# Altium PCB MB1605.PcbDoc (part 8 of 11) (continued)
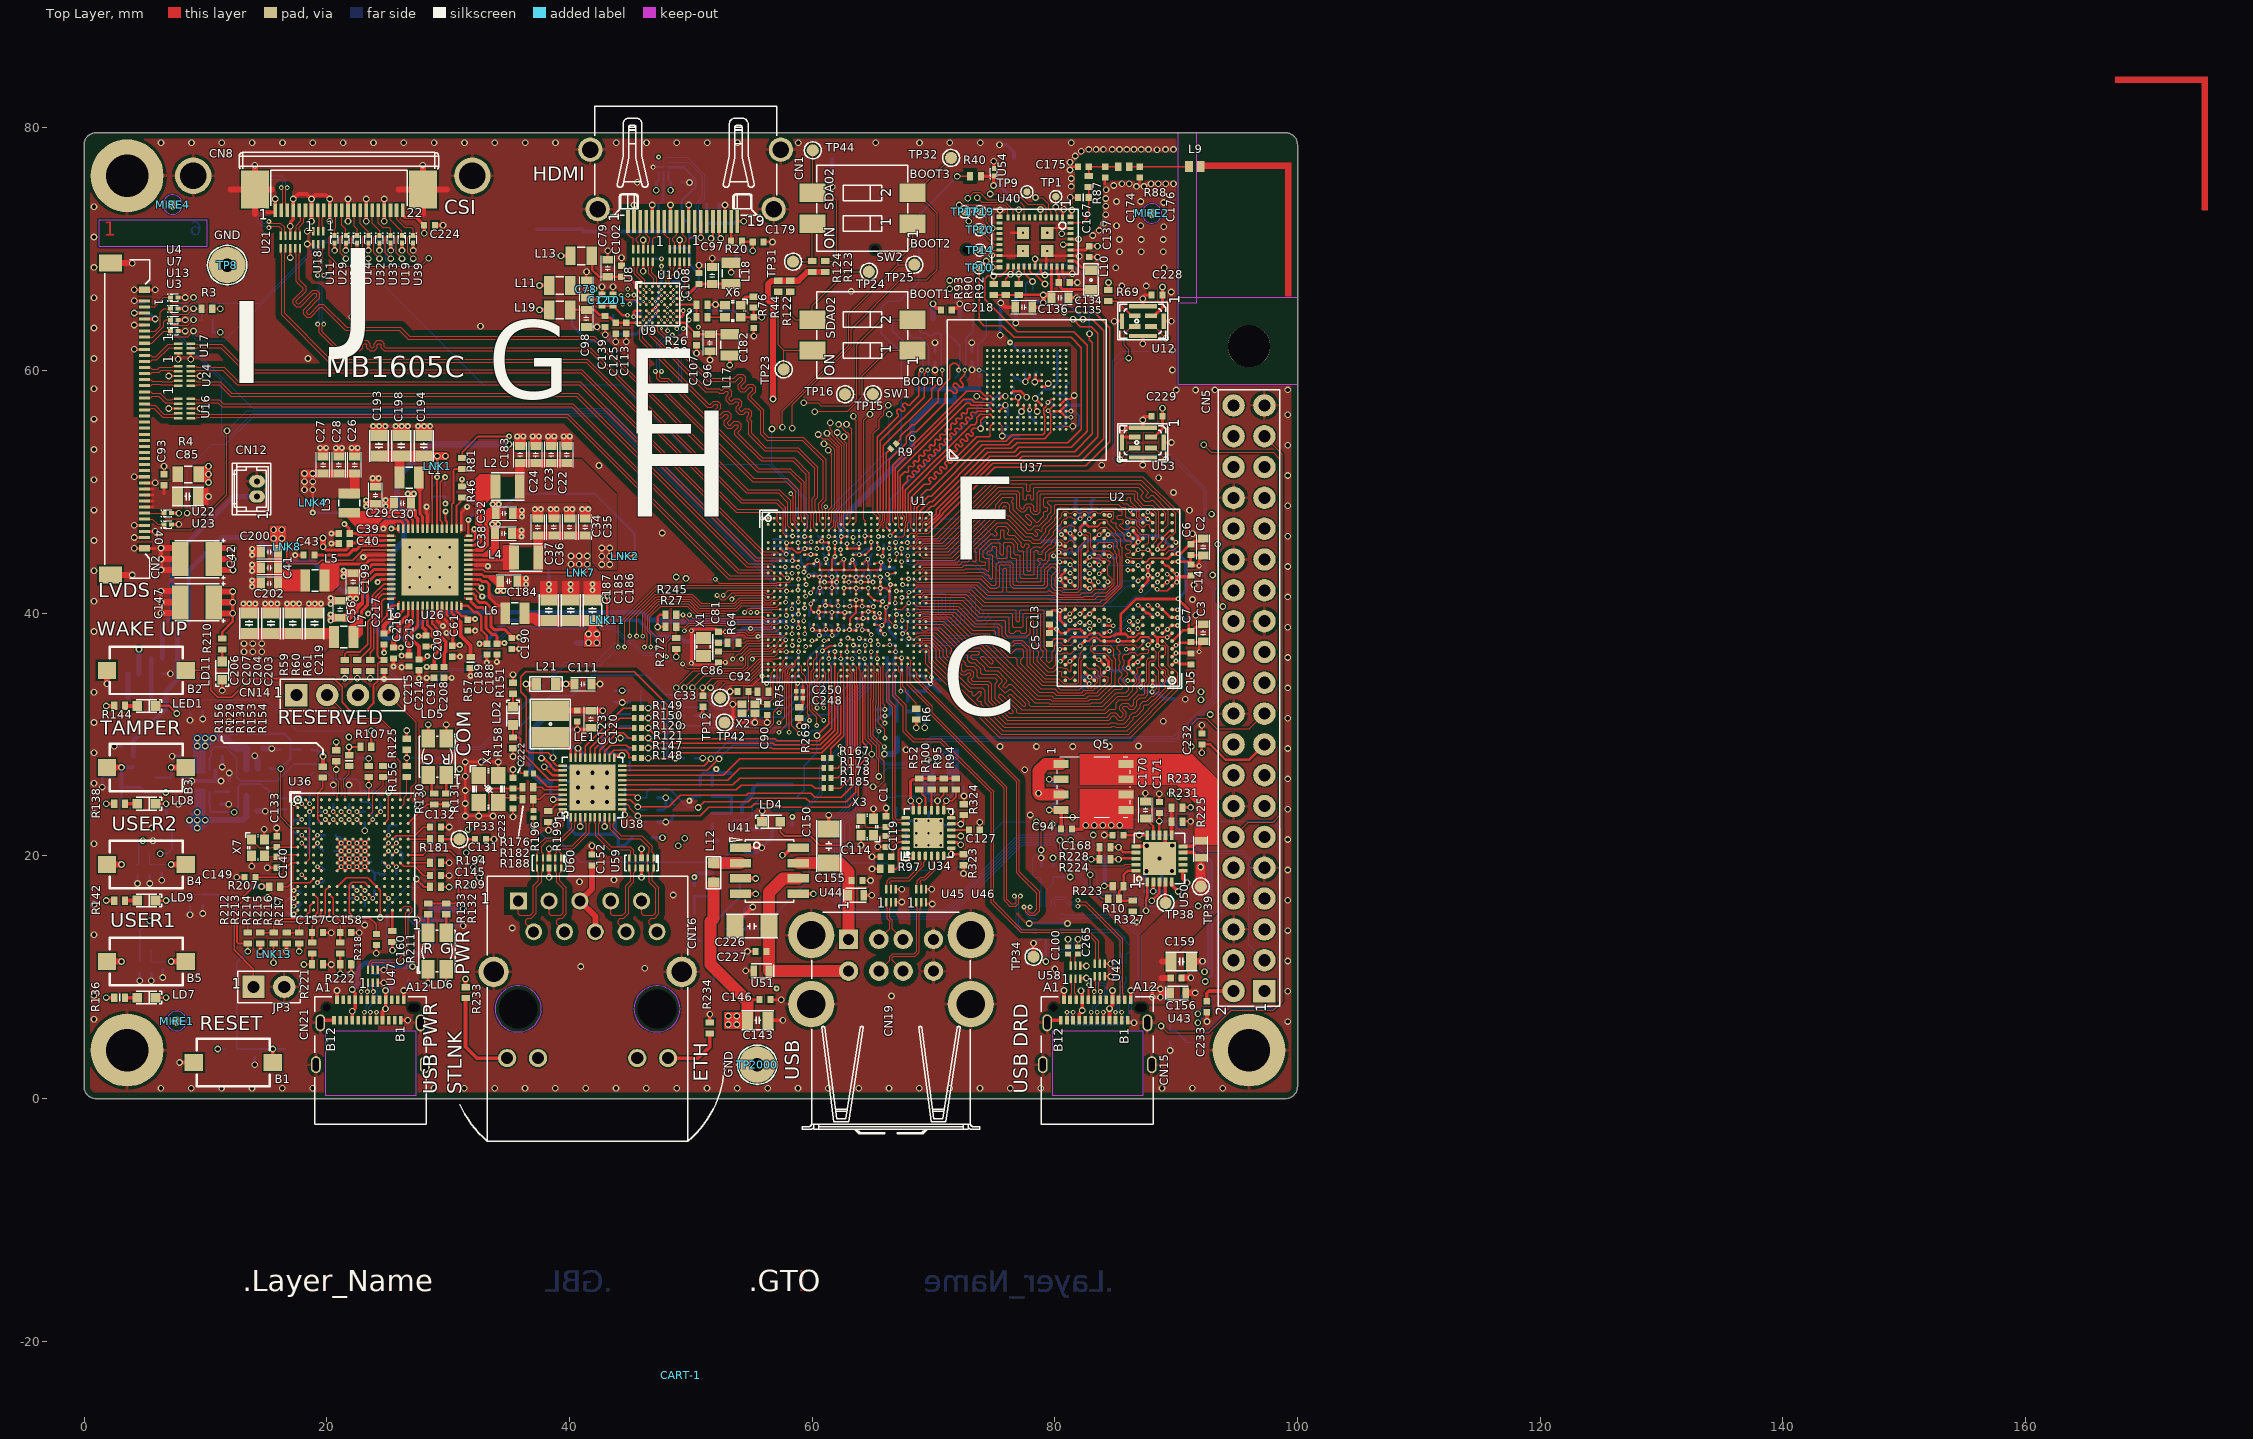
[diagram p0: Top Layer view]
## Nets (pads, with @x,y where several pads share a name; then routed paths per layer and width w, separated by ;. In a path a pad name is that pad's centre, name@x,y a point inside that pad or via, vN(x,y) a via of type N, cw(c..) or ccw(c..) an arc to the next point about the centre after c; other vN are vias at no path point) (continued)
LVDS1.D1con_P: CN2.13 U24.2 | length 2.9
  Top Layer w0.09: CN2.13@5,59.75 5.495,59.75 5.62,59.875 6.198,59.875 6.348,60.025 7.282,60.025 7.357,59.95 U24.2@7.752,59.95
LVDS1.D2_N: U1.J2 U24.7 | length 54.4
  Top Layer w0.09: U24.7@8.802,59.15 9.197,59.15 9.272,59.075 11.228,59.075 12.178,58.125 40.679,58.125 54.729,44.075 56.625,44.075 U1.J2@56.875,43.825
LVDS1.D2_P: U1.J1 U24.6 | length 53.8
  Top Layer w0.09: U24.6@8.802,58.75 9.197,58.75 9.272,58.825 9.5,58.825 10.825,58.825 11.124,58.825 12.074,57.875 40.575,57.875 54.625,43.825 U1.J1@56.375,43.825
LVDS1.D2con_N: CN2.14 U24.4 | length 2.9
  Top Layer w0.09: CN2.14@5,59.25 5.495,59.25 5.62,59.125 6.396,59.125 6.446,59.075 7.282,59.075 7.357,59.15 U24.4@7.752,59.15
LVDS1.D2con_P: CN2.15 U24.5 | length 2.9
  Top Layer w0.09: CN2.15@5,58.75 5.495,58.75 5.62,58.875 6.292,58.875 6.342,58.825 7.282,58.825 7.357,58.75 U24.5@7.752,58.75
LVDS1.D3_N: U1.L3 U16.7 | length 54.2
  Top Layer w0.09: U16.7@8.802,56.475 9.197,56.475 9.272,56.4 39.878,56.4 53.203,43.075 57.123,43.075 57.373,42.825 U1.L3@57.375,42.825
LVDS1.D3_P: U1.L2 U16.6 | length 53.6
  Top Layer w0.09: U16.6@8.802,56.075 9.197,56.075 9.272,56.15 9.525,56.15 10.725,56.15 39.774,56.15 53.099,42.825 U1.L2@56.875,42.825
LVDS1.D3con_N: CN2.18 U16.4 | length 3.1
  Top Layer w0.09: CN2.18@5,57.25 5.08,57.17 5.494,57.17 5.539,57.125 5.865,57.125 6.59,56.4 7.325,56.4 7.346,56.421 7.698,56.421 U16.4@7.752,56.475
LVDS1.D3con_P: CN2.19 U16.5 | length 3.1
  Top Layer w0.09: CN2.19@5,56.75 5.078,56.828 5.507,56.828 5.554,56.875 5.761,56.875 6.486,56.15 7.332,56.15 7.352,56.13 7.697,56.13 U16.5@7.752,56.075
MDF.CCK: U1.AE18 U12.3 U53.3 | length 78.8
  Top Layer w0.09: U1.AE18@64.875,35.825 65.125,35.575 65.125,35.183 65.305,35.003 65.305,34.411 65.29,34.396 65.29,34.085 65.28,34.075 65.275,34.07 65.275,34.04
  Top Layer w0.1: 65.275,34.04 65.275,32.41 65.249,32.384 65.249,30.526 v2(65.5,30.275) ; v1(85.35,52.67) 86.15,53.47 86.3,53.62 U53.3@86.575,53.62 ; v1(86.085,61.026) 86.085,61.732 85.732,62.085 85.732,63.052 86.3,63.62 U12.3@86.575,63.62
  Bottom Layer w0.1: v2(65.5,30.275) 65.5,29.85 65.329,29.679 65.329,28.046 65.876,27.499 67.73,27.499 69.911,29.68 87.154,29.68 87.168,29.666 89.934,29.666 93.225,32.957 93.225,42.095 92.493,42.827 92.493,50.22 89.618,53.095 85.775,53.095 v1(85.35,52.67) 84.956,53.064 84.956,60.396 85.586,61.026 v1(86.085,61.026)
MDF.SDI6: U1.AF18 U12.4 U53.4 | length 80.7
  Top Layer w0.09: U1.AF18@64.875,35.325 64.889,35.311 64.889,35.165 65.125,34.929 65.125,34.486 65.075,34.436 65.075,34.075
  Top Layer w0.1: 65.075,34.075 65.075,32.872 65.049,32.846 65.049,29.893 v2(65.956,28.986) ; U53.4@87.925,53.62 88.2,53.62 88.35,53.47 v1(89.15,52.67) ; U12.4@87.925,63.62 88.2,63.62 88.35,63.47 v1(89.15,62.67)
  Bottom Layer w0.1: v2(65.956,28.986) 65.941,28.986 65.531,28.576 65.531,28.127 65.959,27.699 67.647,27.699 69.828,29.88 87.236,29.88 87.251,29.866 89.843,29.866 93.025,33.048 93.025,42.004 92.293,42.736 92.293,50.137 89.76,52.67 86.156,52.67 85.702,52.216 85.203,52.216 84.756,52.663 84.756,60.797 85.556,61.597 88.077,61.597 v1(89.15,62.67)
MP257_WAKEUP: U1.AF5 U26.32 | length 69.6
  Top Layer w0.09: 58.125,34.075 58.125,34.929 58.165,34.969 58.165,35.115 U1.AF5@58.375,35.325
  Top Layer w0.1: v2(58.106,30.195) 58.106,30.747 58.125,30.765 58.125,34.075
  Top Layer w0.15: v4(29.8,48.4) 29.8,47.653 29.9,47.553 U26.32@29.9,46.97
  Signal Layer 2 w0.1: v1(48.975,20.85) 49.794,20.85 58.106,29.163 v2(58.106,30.195)
  Signal Layer 3 w0.1: v4(29.8,48.4) 32.183,50.783 43.444,50.783 46.778,47.449 46.778,41.336 44.425,38.983 44.425,37.841 44.932,37.334 44.932,36.81 45.498,36.244 45.498,34.273 47.515,32.257 47.515,30.743 49.574,28.684 49.574,27.095 48.975,26.496 v1(48.975,20.85)
NetB2_2: B2.2 C219.2 U26.1 | length 29.6
  Top Layer w0.15: B2.2@8.386,35.3 9.775,35.3 10.438,34.637 10.438,33.673 11.036,33.075 12.162,33.075 13.713,34.625 20.59,34.625 21.275,33.94 21.275,32.657 21.995,31.938 23.213,31.938 23.85,32.575 23.85,34.05 24.2,34.4 24.2,35.825 24.347,35.972 24.554,35.972 C219.2@24.727,36.145 24.562,36.31 24.338,36.31 24.187,36.46 24.187,39.008 24.962,39.783 24.962,40.237 25.355,40.63 U26.1@25.9,40.63
NetB3_2: B3.2 R140.1 TP7.1 | length 3.3
  Top Layer w0.5: v1(7.177,27.3) B3.2@8.386,27.3
  Bottom Layer w0.2: TP7.1@5.913,26.425 5.928,26.441 R140.1@7.177,26.441 v1(7.177,27.3)
NetB4_2: B4.2 R126.2 R128.2 TP3.1 U25.1 | length 4.8
  Top Layer w0.5: v1(7.177,19.3) B4.2@8.386,19.3
  Bottom Layer w0.1: R126.2@5.413,20.187 R128.2@5.413,19.3 U25.1@6.413,19.3 v1(7.177,19.3) TP3.1@8.136,19.3
NetB5_2: B5.2 R127.2 R135.2 TP5.1 U27.1 | length 5
  Top Layer w0.5: v1(7.177,11.3) B5.2@8.386,11.3
  Bottom Layer w0.1: R127.2@5.532,12.237 R135.2@5.532,11.287 U27.1@6.493,11.287 7.164,11.287 v1(7.177,11.3) TP5.1@8.386,11.3
NetC1_2: C1.2 U34.21 X3.3 | length 4.2
  Top Layer w0.1: X3.3@64.018,23.065 64.018,23.015 64.393,22.64 64.393,22.44 64.457,22.376 C1.2@66.088,22.376 66.523,22.376 66.76,22.138 U34.21@67.705,22.138
NetC43_2: C43.2 U26.45 | length 6.7
  Top Layer w0.21: 24.775,45.6 U26.45@25.33,45.6
  Top Layer w0.25: C43.2@19.015,44.79 21.731,44.79 22.176,45.235 22.451,45.235 22.816,45.6 24.775,45.6
NetC78_1: C78.1 C101.2 C122.2 L11.1 U9.D4 U9.E3 | length 9.2
  Top Layer w0.2: L11.1@40.077,67.016 40.077,66.666 40.402,66.341 40.95,66.341 41.275,66.016 42.029,66.016 C122.2@42.689,65.356 C101.2@43.614,65.356 ; C101.2@43.589,65.356 C101.2@43.614,65.356 ; v2(44.787,64.56) 44.385,64.56 43.769,65.176 43.769,65.201 C101.2@43.614,65.356 ; U9.E3@46.836,64.935 v5(47.086,65.185) U9.D4@47.336,65.435
  Signal Layer 1 w0.15: 46.266,64.86 46.302,64.86 46.451,65.01 46.877,65.01 47.052,65.185 v5@47.072,65.185
  Signal Layer 1 w0.2: v2(44.787,64.56) 45.07,64.843 46.249,64.843 46.266,64.86 ; v5@47.072,65.185 v5(47.086,65.185)
NetC79_1: C79.1 C102.1 L13.1 U9.B1 | length 6.1
  Top Layer w0.2: L13.1@41.845,69.456 41.875,69.456 41.875,68.295 42.434,67.736 C79.1@43.164,67.736 C102.1@44.3,67.736 44.823,67.736 45.393,67.166 45.393,66.878 U9.B1@45.836,66.435
NetC80_1: C80.1 C106.1 L16.1 U9.B4 | length 15.1
  Top Layer w0.13: U9.B4@47.336,66.435 v5(47.586,66.685)
  Signal Layer 1 w0.1: v2(47.582,68.111) 47.586,68.107 v5(47.586,66.685)
  Bottom Layer w0.25: L16.1@40.2,64.999 40.2,63.762 41.518,62.443 43.177,62.443 43.73,62.996 45.498,62.996 47.195,64.693 C80.1@47.195,65.92 47.39,66.115 47.39,66.337 47.44,66.387 47.44,67.063 47.465,67.088 47.465,67.209 47.595,67.339 47.595,68.098 v2(47.582,68.111)
NetC81_1: C81.1 R64.2 X1.1 | length 2.1
  Top Layer w0.1: X1.1@51.059,37.975 51.459,37.575 C81.1@52.285,37.575 R64.2@53.035,37.575
NetC88_2: C88.2 D6.2 R66.2 | length 3.2
  Bottom Layer w0.4: D6.2@5.542,33.101 C88.2@5.542,35.008 R66.2@5.542,36.26
NetC92_1: C92.1 R75.1 X2.3 | length 2.9
  Top Layer w0.1: X2.3@54.234,31.76 54.461,31.987 54.694,31.987 54.759,32.052 C92.1@54.759,33.546 R75.1@55.509,33.546
NetC95_1: C95.1 D2.1 Q10.3 | length 8.8
  Bottom Layer w0.2: D2.1@51.875,9.8 D2.1@51.888,9.813 51.888,14.466 52.567,15.145 52.592,15.145 52.747,15.3 C95.1@52.747,15.325 52.747,15.35 52.902,15.505 52.927,15.505 54.022,16.6 Q10.3@54.022,17.638
NetC95_2: C95.2 Q10.1 R12.1 R187.2 | length 4.3
  Bottom Layer w0.2: R187.2@50.297,15.275 R12.1@50.297,16.688 Q10.1@51.822,16.688 51.847,16.662 C95.2@51.847,15.325
NetC96_1: C96.1 C107.1 L17.1 U9.G7 | length 4.8
  Top Layer w0.2: U9.G7@48.836,63.935 49.503,63.935 50.446,62.992 L17.1@53.214,62.992
NetC97_1: C97.1 C108.2 L18.1 U9.C6 | length 5.5
  Top Layer w0.13: U9.C6@48.336,65.935 v5(48.586,66.185)
  Top Layer w0.25: v5(49.671,66.385) 49.903,66.385 50.651,67.132 C108.2@50.676,67.132 C97.1@51.769,67.132 L18.1@53.326,67.132
  Signal Layer 1 w0.2: v5(48.586,66.185) 48.9,66.185 49.1,66.385 v5(49.671,66.385)
NetC98_1: C98.1 C113.2 C125.2 C139.2 L19.1 U9.E2 U9.E4 U9.G1 | length 8.9
  Top Layer w0.2: L19.1@40.08,64.999 C98.1@41.4,64.999 42.06,64.999 42.48,64.579 42.863,64.579 43.069,64.373 43.352,64.373 43.635,64.09 C125.2@43.79,63.935 ; C125.2@43.815,63.935 C113.2@44.676,63.935 v5(45.476,63.935) U9.G1@45.836,63.935 ; U9.E2@46.336,64.935 v5(46.586,64.685) ; v5(47.086,64.685) U9.E4@47.336,64.935
  Signal Layer 1 w0.2: v5(45.476,63.935) 45.736,64.195 45.736,64.33 45.917,64.511 45.941,64.535 46.436,64.535 v5(46.586,64.685) v5(47.086,64.685)
NetC100_2: C100.2 U58.6 | length 1.1
  Top Layer w0.1: C100.2@81.087,11.916 81.3,11.703 U58.6@81.3,10.938
NetC114_2: C114.2 U34.23 | length 2.1
  Top Layer w0.15: C114.2@66.523,19.931 66.691,20.099 66.691,20.744 67.085,21.138 U34.23@67.705,21.138
NetC119_2: C119.2 U34.22 X3.1 | length 2.7
  Top Layer w0.1: X3.1@65.068,21.715 65.132,21.651 C119.2@66.088,21.651 67.692,21.651 U34.22@67.705,21.638
NetC127_2: C127.2 U34.10 | length 1.5
  Top Layer w0.15: U34.10@71.47,22.138 72.917,22.138 C127.2@72.919,22.14
NetC130_2: C130.2 C148.2 U37.C2 | length 3.5
  Top Layer w0.09: U37.C2@75.425,55.655 75.675,55.405 v1(75.675,54.605)
  Bottom Layer w0.25: C148.2@76.11,55.405 75.675,54.97 v1(75.675,54.605) C130.2@77.027,54.605
NetC131_2: C131.2 R181.2 TP33.1 | length 2.8
  Top Layer w0.2: R181.2@29.415,21.382 TP33.1@30.94,21.382 C131.2@32.215,21.382
NetC132_2: C132.2 U36.F13 | length 3.5
  Top Layer w0.12: U36.F13@25.415,21.382 25.715,21.682 27.265,21.682 27.965,22.382 C132.2@28.515,22.382
NetC134_2: C134.2 L10.2 U40.31 | length 4.4
  Top Layer w0.25: U40.31@80.175,68.575 80.175,67.996 80.33,67.841 C134.2@80.33,67.262 80.46,67.132 80.46,66.852 80.642,66.67 L10.2@82.98,66.67
NetC145_2: C145.2 U36.J14 | length 2.9
  Top Layer w0.12: U36.J14@26.065,19.432 26.365,19.132 27.24,19.132 27.99,18.382 C145.2@28.515,18.382
NetC150_2: C150.2 C155.2 CN19.T1 U41.7 U44.1 | length 10
  Top Layer w1: U41.7@58.854,19.413 61.366,19.413 C150.2@61.375,19.422 62.265,19.422 63,18.687 63,17.976 U44.1@63,16.76 CN19.T1@63,13.13
NetC151_2: C151.2 C252.2 C260.2 R11.2 U1.AB20 U1.AB22 U1.AC21 | length 8.5
  Top Layer w0.1: U1.AB20@65.875,37.325 65.895,37.345 66.248,37.345 66.314,37.41 v3(66.395,37.41) ; U1.AC21@66.375,36.825 v3(66.875,36.825) U1.AB22@66.875,37.325
  Bottom Layer w0.25: v3(66.395,37.41) 66.846,37.41 C252.2@66.87,37.385 66.87,36.83 v3(66.875,36.825) 66.875,36.449 C151.2@66.75,36.324 66.75,33.083 67,32.833 R11.2@67,31.075
NetC152_2: C152.2 CN16.5 CN16.6 | length 6.4
  Top Layer w0.5: C152.2@41.865,19.209 41.865,17.29 CN16.5@40.865,16.29 42.135,15.02 CN16.6@42.135,13.75
NetC160_2: C160.2 U36.M10 | length 7.6
  Top Layer w0.12: U36.M10@23.465,17.482 23.115,17.832 22.09,17.832 21.84,17.582 21.84,15.332 22.29,14.882 23.565,14.882 24.09,14.357 C160.2@24.09,13.557
NetC167_2: C167.2 R87.2 U40.41 | length 4.1
  Top Layer w0.11: U40.41@81.3,72.175 81.888,72.175 ccw(c81.888,73.087) 82.8,73.087 C167.2@82.8,74.25 R87.2@82.8,75.125
NetC168_2: C168.2 CN15.A5 D5.2 U50.15 | length 63.9
  Top Layer w0.2: CN15.A5@82.75,8.16 82.775,8.185 v2(82.775,9.387) ; C168.2@85.638,21.723 v1(86.963,21.723) U50.15@87.613,21.723
  Signal Layer 3 w0.2: v4(58.375,23.225) 64.16,17.44 65.544,17.44 66.224,16.76 70.6,16.76 71.319,17.479 80.18,17.479 80.469,17.19 81.723,17.19 82.305,17.773 83.206,17.773 83.897,18.464 84.963,18.464 85.918,19.418 85.918,20.678 v1(86.963,21.723) ; v2(82.775,9.387) 84.702,9.387 85.763,10.449 v1(92.336,10.449)
  Bottom Layer w0.2: v1(86.963,21.723) 90.288,21.723 92.638,19.373 92.638,10.75 v1(92.336,10.449)
  Bottom Layer w0.3: D5.2@58.375,22.513 v4(58.375,23.225)
NetC170_2: C170.2 U50.14 | length 1.6
  Top Layer w0.2: C170.2@87.463,23.103 88.113,22.453 U50.14@88.113,21.723
NetC171_2: C171.2 CN15.B5 D2.2 U50.13 | length 63.4
  Top Layer w0.2: CN15.B5@84,6.46 v2(84,7.12) ; U50.13@88.613,21.723 v1(88.613,22.873) C171.2@88.613,23.548
  Signal Layer 3 w0.2: v4(57.075,9.079) 56.82,8.824 56.82,6.344 57.964,5.2 83.755,5.2 84,5.445 ; v2(84,7.12) 84,5.445 ; v1(92.4,9.65) 91.721,9.65 88.273,6.202 88.273,5.548 87.925,5.2 84.245,5.2 84,5.445
  Bottom Layer w0.2: D2.2@55.238,9.813 55.344,9.706 56.448,9.706 v4(57.075,9.079) ; v1(88.613,22.873) 89.563,22.873 92.938,19.498 92.938,10.188 v1(92.4,9.65)
NetC173_2: C173.2 U52.1 | length 1.1
  Bottom Layer w0.2: U52.1@10.836,25.277 C173.2@11.961,25.277
NetC174_2: C174.2 C175.2 R87.1 R88.2 | length 3.2
  Top Layer w0.11: R87.1@82.8,76.025 C175.2@82.8,76.8 R88.2@85.225,76.8
NetC176_2: C176.2 L9.1 R88.1 | length 4.9
  Top Layer w0.11: R88.1@86.125,76.8 C176.2@87,76.8 L9.1@91.05,76.8
NetC208_1: C208.1 U26.8 | length 5.4
  Top Layer w0.21: U26.8@28.7,40.63 28.7,39.134 29.125,38.709 29.125,38.345 29.298,38.172
  Top Layer w0.3: 29.298,38.172 29.8,37.67 29.8,36.843 29.675,36.718 C208.1@29.675,35.705
NetC212_1: C212.1 D5.1 Q9.3 | length 5.7
  Bottom Layer w0.3: C212.1@54.225,23.575 54.225,24.215 55.123,25.113 55.123,25.538 55.473,25.888 58.35,25.888 D5.1@58.375,25.863
NetC212_2: C212.2 Q9.1 R8.1 R162.2 | length 4.5
  Bottom Layer w0.3: R162.2@51.775,23.525 53.275,23.525 C212.2@53.325,23.575 53.325,24.913 Q9.1@53.3,24.938 R8.1@51.775,24.938
NetC222_2: C222.2 R182.1 X4.1 | length 4.3
  Top Layer w0.15: X4.1@32.525,26.625 33.034,26.116 33.034,25.816 33.3,25.55 C222.2@35.35,25.55 36,25.55 R182.1@36.125,25.675
NetC223_2: C223.2 R188.1 X4.3 | length 2.2
  Top Layer w0.15: X4.3@34.125,24.425 34.5,24.8 C223.2@35.35,24.8 36,24.8 R188.1@36.125,24.675
NetC225_2: C225.2 U1.R7 | length 2.8
  Top Layer w0.1: v3(59.375,40.433) U1.R7@59.375,40.825
  Bottom Layer w0.1: C225.2@57.296,40.309 57.764,40.309 58.18,40.726 58.47,40.726 58.763,40.433 v3(59.375,40.433)
NetC226_2: C226.2 C227.2 CN19.B1 U41.6 U51.1 | length 15.9
  Top Layer w1: U41.6@58.854,18.143 57.59,18.143 56.445,16.998 C226.2@56.445,14.225 U51.1@56.445,10.535 CN19.B1@62.975,10.535
NetC235_2: C235.2 C244.2 R267.1 U1.AB6 | length 3.2
  Top Layer w0.09: v3(58.875,36.825) U1.AB6@58.875,37.325
  Bottom Layer w0.2: R267.1@58.223,34.723 58.734,34.723 58.875,34.864 C235.2@58.875,35.625 C244.2@58.875,36.331 v3(58.875,36.825)
NetC251_2: C251.2 R286.2 U1.AE21 U1.AE22 | length 4.3
  Top Layer w0.09: U1.AE21@66.375,35.825 U1.AE22@66.875,35.825 ; U1.AE22@66.902,35.798 67.125,35.575 67.125,35.221 67.295,35.052 67.295,33.593 v2(67.3,33.588)
  Top Layer w0.1: U1.AE22@66.875,35.825 U1.AE22@66.902,35.798
  Bottom Layer w0.3: v2(67.3,33.588) C251.2@67.89,33.588 R286.2@67.89,32.815
NetC265_2: C265.2 U58.5 | length 1.1
  Top Layer w0.1: U58.5@81.7,10.938 81.7,11.711 C265.2@81.906,11.916
NetC266_2: C266.2 U57.6 | length 1.1
  Bottom Layer w0.1: U57.6@85.898,11.123 85.898,11.888 C266.2@86.111,12.101
NetC267_2: C267.2 U57.5 | length 1.1
  Bottom Layer w0.1: C267.2@85.292,12.101 85.498,11.896 U57.5@85.498,11.123
NetCN1_18: CN1.18 R20.2 | length 1.7
  Top Layer w0.2: R20.2@53.326,70.6 CN1.18@53.326,72.3
NetCN6_5: CN6.5 R9.2 R34.1 U6.1 U6.10 | length 15.1
  Top Layer w0.11: R9.2@66.914,53.986 67.275,54.347 67.275,54.59 68.235,55.55 68.45,55.55 70.375,57.475 70.375,58.349 71.354,59.327 71.354,60.379 71.575,60.6 71.847,60.6 72.068,60.379 v2(72.068,60.042)
  Bottom Layer w0.11: CN6.5@71.06,64.175 71.06,63.165 72.152,62.073 72.152,61.584 U6.1@72.154,61.582 U6.10@72.154,60.762 72.154,60.128 v2(72.068,60.042) 72.068,59.711 72.045,59.688 72.045,59.593 71.845,59.393 R34.1@71.75,59.393
NetCN6_10: CN6.10 R40.2 U54.1 | length 3.6
  Top Layer w0.3: R40.2@73.915,76.025 U54.1@74.975,76.025 74.975,75.275 v1(74.95,75.25)
  Bottom Layer w0.3: v1(74.95,75.25) 75.435,75.25 76.135,74.55 CN6.10@76.41,74.55
NetCN12_1: CN12.1 R66.1 | length 17.7
  Bottom Layer w0.4: R66.1@6.442,36.26 6.442,39.009 7.261,39.828 7.261,44.548 12.338,49.625 CN12.1@14.25,49.625
NetCN16_11: CN16.11 R233.1 | length 7.8
  Top Layer w0.3: R233.1@31.44,8.286 31.44,4.285 32.385,3.34 CN16.11@34.87,3.34
NetCN16_12: CN16.12 R319.2 U38.32 | length 31.5
  Top Layer w0.2: v1(37.696,28.065) 37.763,27.998 37.949,27.998 38.461,27.486 38.461,27.389 38.8,27.05 U38.32@39.45,27.05
  Signal Layer 3 w0.1: CN16.12@37.41,3.34 38.461,4.391 38.461,9.474 34.125,13.81 34.125,18.122 36.111,20.108 36.111,24.346 37.49,25.725 37.49,27.781 37.696,27.987 v1(37.696,28.065)
  Bottom Layer w0.3: R319.2@37.625,28.825 37.661,28.789 37.661,28.1 v1(37.696,28.065)
NetCN16_13: CN16.13 R322.2 U38.33 | length 33.2
  Top Layer w0.2: v1(37.925,27.35) 37.925,27.333 38.608,26.65 U38.33@39.45,26.65
  Signal Layer 3 w0.1: v1(37.925,27.35) 37.925,26.829 37.69,26.594 37.69,25.642 36.311,24.263 36.311,20.025 34.325,18.039 34.325,13.893 39.218,9 39.93,9 CN16.13@45.59,3.34
  Bottom Layer w0.2: v1(37.925,27.35) 38.6,27.35 R322.2@38.65,27.3
NetCN16_14: CN16.14 R234.2 | length 4.9
  Top Layer w0.3: CN16.14@48.13,3.34 50.615,3.34 51.575,4.3 R234.2@51.575,5.375
NetCN21_A5: CN21.A5 R217.2 R221.1 | length 9.2
  Top Layer w0.1: CN21.A5@22.85,8.16 v2(22.85,8.82)
  Top Layer w0.2: v1(18.12,11.057) R221.1@18.795,11.057 R217.2@18.795,11.957
  Signal Layer 3 w0.15: v1(18.12,11.057) 18.727,10.45 20.528,10.45 20.969,10.891 22.43,10.891 22.85,10.471 v2(22.85,8.82)
NetCN21_B5: CN21.B5 R218.2 R222.1 | length 7.9
  Top Layer w0.1: CN21.B5@24.1,6.46 v2(24.1,7.12)
  Top Layer w0.2: v1(21.115,10.287) R222.1@21.115,11.057 R218.2@21.115,11.957
  Signal Layer 3 w0.15: v1(21.115,10.287) 21.115,9.803 21.444,9.474 21.444,8.399 21.842,8.001 23.819,8.001 24.1,7.72 v2(24.1,7.12)
NetD1_3: D1.3 R28.1 R29.2 | length 12
  Bottom Layer w0.3: D1.3@37.3,71.658 41.005,71.658 41.198,71.465 R28.1@48.24,71.465 R29.2@48.24,72.403
NetD6_1: D6.1 R67.1 | length 1.9
  Bottom Layer w0.4: D6.1@3.632,33.091 R67.1@3.632,35.008
NetD7_1: D7.1 R248.1 U37.K5 | length 5.7
  Top Layer w0.2: v1(78.375,57.705) U37.K5@78.925,57.155
  Bottom Layer w0.2: v1(78.375,57.705) 79.125,58.455 79.682,58.455 R248.1@80.207,58.98 80.207,61.55 D7.1@80.195,61.563
NetL1_1: L1.1 U26.37 | length 4.2
  Top Layer w0.21: U26.37@27.9,46.97 27.9,47.525
  Top Layer w0.25: L1.1@27.7,51.135 27.7,48.173 27.9,47.973 27.9,47.525
NetL2_1: L2.1 U26.26 | length 4.1
  Top Layer w0.2: U26.26@31.917,45.6 32.4,45.6 32.725,45.925 32.725,48.56 ; L2.1@33.85,49.685 L2.1@33.85,50.2
NetL3_1: L3.1 U26.40 | length 5.9
  Top Layer w0.15: L3.1@21.698,48.162 L3.1@21.85,48.01
  Top Layer w0.21: L3.1@21.85,48.275 22.135,47.99 23.91,47.99 26.265,47.99 26.7,47.555 U26.40@26.7,46.97
NetL4_1: L4.1 U26.23 | length 3.8
  Top Layer w0.15: L4.1@35.36,43.885 L4.1@35.36,44.4
  Top Layer w0.21: U26.23@31.67,44.4 32.225,44.4
  Top Layer w0.25: 32.225,44.4 35,44.4
NetL5_1: L5.1 U26.48 | length 7.2
  Top Layer w0.15: L5.1@19.618,42.448 L5.1@19.87,42.7 ; L5.1@20.09,42.585 L5.1@20.09,43.1
  Top Layer w0.21: 24.775,44.4 U26.48@25.33,44.4
  Top Layer w0.25: 19.825,43.6 20.275,44.05 23.2,44.05 23.55,44.4 24.775,44.4 ; L5.1@20.09,43.1 20.09,43.615
NetL6_1: L6.1 U26.19 | length 4.9
  Top Layer w0.21: U26.19@31.67,42.8 32.225,42.8
  Top Layer w0.25: 32.225,42.8 32.623,42.8 32.798,42.625 33.15,42.625 33.375,42.4 33.375,41.325 34.071,40.629 34.425,40.629 34.43,40.624 L6.1@34.43,40.025
NetL7_1: L7.1 U26.51 | length 7.4
  Top Layer w0.21: 24.775,43.2 U26.51@25.33,43.2
  Top Layer w0.25: L7.1@22.425,38.425 L7.1@22.425,38.669 ; L7.1@22.475,37.95 22.875,38.35 22.875,40.184 23.35,40.659 23.35,42.503 24.047,43.2 24.775,43.2
NetL10_1: L10.1 U40.34 | length 2
  Top Layer w0.25: U40.34@81.3,69.025 81.681,69.025 82.214,68.492 82.759,68.492 L10.1@82.98,68.27
NetL12_2: L12.2 U41.2 | length 2.2
  Top Layer w1: L12.2@51.875,19.413 U41.2@54.104,19.413
NetLD2_1: LD2.1 R158.2 U38.34 | length 7.2
  Top Layer w0.15: LD2.1@35.35,30.795 R158.2@35.35,29.77 35.882,29.77 35.97,29.682 35.97,28.655 38.375,26.25 U38.34@39.45,26.25
NetLD2_2: LD2.2 R151.1 | length 1.1
  Top Layer w0.2: LD2.2@35.35,32.295 R151.1@35.35,33.37
NetLD4_1: LD4.1 R96.1 | length 11.8
  Top Layer w0.15: LD4.1@57.376,22.826 57.376,21.99 57.732,21.635 59.883,21.635 60.629,20.888 v1(63.112,20.888)
  Bottom Layer w0.1: v1(63.112,20.888) 63.112,22.777 65.099,24.764 R96.1@65.099,24.859
NetLD5_1: LD5.1 R131.1 | length 1.5
  Top Layer w0.2: R131.1@29.858,25.15 LD5.1@29.858,26.675
NetLD5_2: LD5.2 R130.2 | length 1.8
  Top Layer w0.2: LD5.2@28.358,26.675 28.65,26.383 28.65,25.305 28.805,25.15 R130.2@28.85,25.15
NetLD6_1: LD6.1 R133.1 | length 1.5
  Top Layer w0.2: LD6.1@28.35,13.669 R133.1@28.35,15.194
NetLD6_2: LD6.2 R132.1 | length 1.5
  Top Layer w0.2: LD6.2@29.85,13.669 R132.1@29.85,15.194
NetLD7_1: LD7.1 R136.2 | length 1
  Top Layer w0.3: R136.2@3.386,8.327 LD7.1@4.386,8.327
NetLD8_1: LD8.1 R138.1 | length 1
  Top Layer w0.3: R138.1@3.386,24.294 LD8.1@4.386,24.294
NetLD8_2: LD8.2 Q3.3 | length 1.8
  Top Layer w0.2: LD8.2@5.886,24.294 v1(6.763,24.294)
  Bottom Layer w0.2: Q3.3@6.763,23.402 v1(6.763,24.294)
NetLD9_1: LD9.1 R142.1 | length 1
  Top Layer w0.3: R142.1@3.386,16.327 LD9.1@4.386,16.327
NetLD9_2: LD9.2 Q2.3 | length 1.7
  Top Layer w0.2: LD9.2@5.886,16.327 v1(6.763,16.327)
  Bottom Layer w0.3: v1(6.763,16.327) Q2.3@7.636,16.327
NetLD11_1: LD11.1 R210.2 | length 1
  Top Layer w0.2: LD11.1@11.386,36.022 R210.2@11.386,37.015
NetLE1_1: LE1.1 U38.30 | length 2.8
  Top Layer w0.2: LE1.1@38.425,29.775 39.175,29.025 39.875,29.025 40.1,28.8 U38.30@40.1,28.1
NetLED1_1: LED1.1 R144.2 | length 1
  Top Layer w0.3: R144.2@3.386,32.361 LED1.1@4.386,32.361
NetLED1_2: LED1.2 Q1.3 | length 2.6
  Top Layer w0.2: LED1.2@5.886,32.361 7.02,32.361 v1(7.636,31.745)
  Bottom Layer w0.3: v1(7.636,31.745) Q1.3@7.636,32.361
NetQ5_7: Q5.7 Q5.8 R225.2 U50.10 | length 1.5
  Top Layer w0.3: U50.10@90.538,20.798 91.358,20.798 R225.2@91.833,21.273
NetQ11_3: Q11.3 R162.1 | length 1.7
  Bottom Layer w0.3: R162.1@51.775,22.625 51.775,21.613 52.125,21.263 Q11.3@52.3,21.263
NetQ12_3: Q12.3 R187.1 | length 1.7
  Bottom Layer w0.2: R187.1@50.297,14.375 50.297,13.413 50.697,13.013 Q12.3@50.822,13.013
NetR1_2: R1.2 U1.K22 | length 1.3
  Top Layer w0.15: v3@66.201,43.202 66.3,43.22 U1.K22@66.875,43.325
  Bottom Layer w0.1: v3(66.2,43.205) 66.67,43.205 R1.2@66.75,43.125
NetR2_1: R2.1 U2.A5 | length 1.1
  Top Layer w0.22: v2@86.009,34.444 U2.A5@86.459,34.444
  Bottom Layer w0.22: R2.1@85.408,34.62 85.583,34.445 v2@86.008,34.445
  other v2: 86.01,34.45
NetR5_2: R5.2 U1.AF27 | length 1.6
  Top Layer w0.1: U1.AF27@69.375,35.325 69.768,34.932 69.768,34.782 v2(69.825,34.725)
  Bottom Layer w0.2: v2(69.825,34.725) 69.879,34.725 70.042,34.562 70.125,34.562 70.439,34.562 R5.2@70.555,34.446
NetR6_1: R6.1 U1.AF23 | length 3.7
  Top Layer w0.09: U1.AF23@67.375,35.325 67.375,35.287 67.485,35.178 67.485,33.966 67.495,33.956
  Top Layer w0.1: 67.495,33.956 67.705,33.746 67.705,33.48 68.584,32.601 R6.1@68.584,32.133
NetR7_1: R7.1 U1.AE20 | length 4.5
  Top Layer w0.09: 65.875,34.075 U1.AE20@65.875,35.825
  Top Layer w0.1: 65.875,34.075 65.875,32.555 65.999,32.431 v2(65.999,32.073)
  Bottom Layer w0.3: R7.1@65.274,32.073 v2(65.999,32.073)
NetR10_2: R10.2 R223.1 R327.2 U50.20 | length 4.5
  Top Layer w0.2: R327.2@86.438,16.325 85.455,16.325 85.3,16.48 85.3,17.06 85.668,17.427 85.668,18.448 86.018,18.798 U50.20@86.688,18.798
NetR18_2: R18.2 U9.C5 | length 5
  Top Layer w0.13: v5(47.586,65.685) U9.C5@47.836,65.935
  Signal Layer 1 w0.1: v5(47.586,65.685) 47.271,66 47.271,66.815 47.386,66.93 47.386,67.798 47.221,67.963 47.221,68.838 v2(47.586,69.203)
  Bottom Layer w0.2: R18.2@46.875,69.203 v2(47.586,69.203)
NetR23_1: R23.1 R28.2 R63.2 U9.D6 | length 8.6
  Top Layer w0.13: U9.D6@48.336,65.435 v5(48.586,65.685)
  Signal Layer 1 w0.1: v5(48.586,65.685) 49.041,65.685 49.141,65.585 49.552,65.585 v2(49.887,65.92)
  Bottom Layer w0.2: R28.2@48.24,70.065 49.874,70.065 R63.2@49.889,70.05 49.889,68.73 50.671,67.948 50.671,66.804 50.441,66.575 R23.1@49.887,66.575 v2(49.887,65.92)
NetR24_2: R24.2 R25.1 U9.C3 | length 5.1
  Top Layer w0.13: U9.C3@46.836,65.935 v5(47.086,65.685)
  Signal Layer 1 w0.1: v2(44.396,65.479) 44.746,65.129 45.66,65.129 45.661,65.13 46.253,65.13 46.358,65.235 46.636,65.235 46.755,65.354 v5(47.086,65.685)
  Bottom Layer w0.1: R24.2@42.684,65.479 R25.1@43.613,65.479 v2(44.396,65.479)
NetR29_1: R29.1 U20.B1 | length 4.1
  Bottom Layer w0.15: R29.1@47.34,72.403 47.34,73.65 47.764,74.074 U20.B1@47.764,76.369
NetR30_2: R30.2 X6.3 | length 1.4
  Top Layer w0.13: R30.2@51.376,64.395 X6.3@52.813,64.395
NetR44_1: R44.1 SW1.4 TP23.1 | length 9
  Top Layer w0.1: R44.1@57.2,66.5 57.2,62.106 57.651,61.655 ; TP23.1@57.651,60.096 57.651,61.655 ; SW1.4@60.025,61.655 57.651,61.655
NetR46_2: R46.2 U26.30 | length 2.8
  Top Layer w0.15: U26.30@30.7,46.97 30.7,48.87 31.032,49.202 31.032,49.43 R46.2@31.15,49.548
NetR52_1: R52.1 U34.16 | length 1.9
  Top Layer w0.15: R52.1@68.82,25.487 68.825,25.487 69.03,25.282 69.03,25.14 69.337,24.833 U34.16@69.337,23.771
NetR57_2: R57.2 U26.12 | length 4.9
  Top Layer w0.21: U26.12@30.3,40.63 30.3,40.016 30.47,39.845
  Top Layer w0.3: 30.47,39.845 31.025,39.291 31.025,38.174 31.85,37.349 R57.2@31.85,36.4
NetR59_2: R59.2 U26.54 | length 8.5
  Top Layer w0.15: R59.2@21.48,36.145 21.48,36.64 21.65,36.81 22.736,36.81 23.375,37.449 23.375,39.298 24.012,39.935 24.012,41.335 24.677,42 U26.54@25.33,42
NetR60_2: R60.2 U26.55 | length 7.1
  Top Layer w0.15: R60.2@22.53,36.145 22.604,36.145 23.625,37.166 23.625,39.194 24.262,39.832 24.262,41.232 24.631,41.6 U26.55@25.33,41.6
NetR61_2: R61.2 U26.56 | length 6.1
  Top Layer w0.15: R61.2@23.58,36.145 23.58,36.76 23.875,37.055 23.875,39.091 24.512,39.728 24.512,40.985 24.727,41.2 U26.56@25.255,41.2
NetR69_2: R69.2 U12.2 | length 2.7
  Top Layer w0.11: R69.2@84.416,65.731 85.116,65.731 86.327,64.52 U12.2@86.575,64.52
NetR76_2: R76.2 X6.1 | length 1.6
  Top Layer w0.2: X6.1@54.113,65.395 54.324,65.606 54.324,65.938 54.471,66.085 R76.2@55.196,66.085
NetR81_2: R81.2 U26.31 | length 5.7
  Top Layer w0.15: U26.31@30.3,46.97 30.3,48.973 30.45,49.123 30.45,51.81 30.538,51.898 R81.2@31.163,51.898
NetR94_1: R94.1 R98.2 SB2.2 U34.13 | length 5.2
  Top Layer w0.15: v1(71.049,24.55) 71.56,24.55 71.85,24.84 R94.1@71.85,25.487
  Top Layer w0.2: U34.13@70.837,23.771 70.837,24.243 71.049,24.455 v1(71.049,24.55)
  Bottom Layer w0.2: v1(71.049,24.55) 71.577,25.077 R98.2@71.577,25.712 SB2.2@71.577,27.05
NetR95_1: R95.1 R99.2 SB1.2 U34.14 | length 3.7
  Top Layer w0.15: U34.14@70.337,23.771 v1(70.337,24.55) 70.844,25.057 R95.1@70.844,25.487
  Bottom Layer w0.2: R99.2@69.587,24.55 SB1.2@69.587,25.623 ; R99.2@69.6,24.55 v1(70.337,24.55)
NetR96_2: R96.2 R102.2 U34.17 | length 3.9
  Top Layer w0.2: U34.17@68.837,23.771 v1(68.837,24.55)
  Bottom Layer w0.1: R96.2@65.999,24.859 R102.2@66.934,24.859 66.934,24.975 68.412,24.975 v1(68.837,24.55)
NetR97_2: R97.2 U34.24 | length 2.7
  Top Layer w0.15: R97.2@66.519,18.927 66.915,18.927 67.108,19.12 67.108,20.498 67.225,20.615 67.681,20.615 U34.24@67.705,20.638
NetR100_2: R100.2 U34.15 | length 1.7
  Top Layer w0.15: U34.15@69.837,23.771 R100.2@69.837,25.487
NetR120_2: R120.2 U38.25 | length 4.7
  Top Layer w0.11: U38.25@42.1,28.1 42.1,28.825 43.819,30.544 R120.2@45.345,30.544